# Altium PCB C210.PcbDoc (part 2 of 8)
Units mm, origin at the board's own origin, x right, y up, seen from the top; angles counter-clockwise.
Board outline 68 x 129.25 mm, 6 copper layers (L1, L2, L3, L4, L5, L6), stack 1.547 mm thick; 512 components, 298 nets, 1774 pads, 1892 vias.
Unrouted connection lines stored in the file: 306.
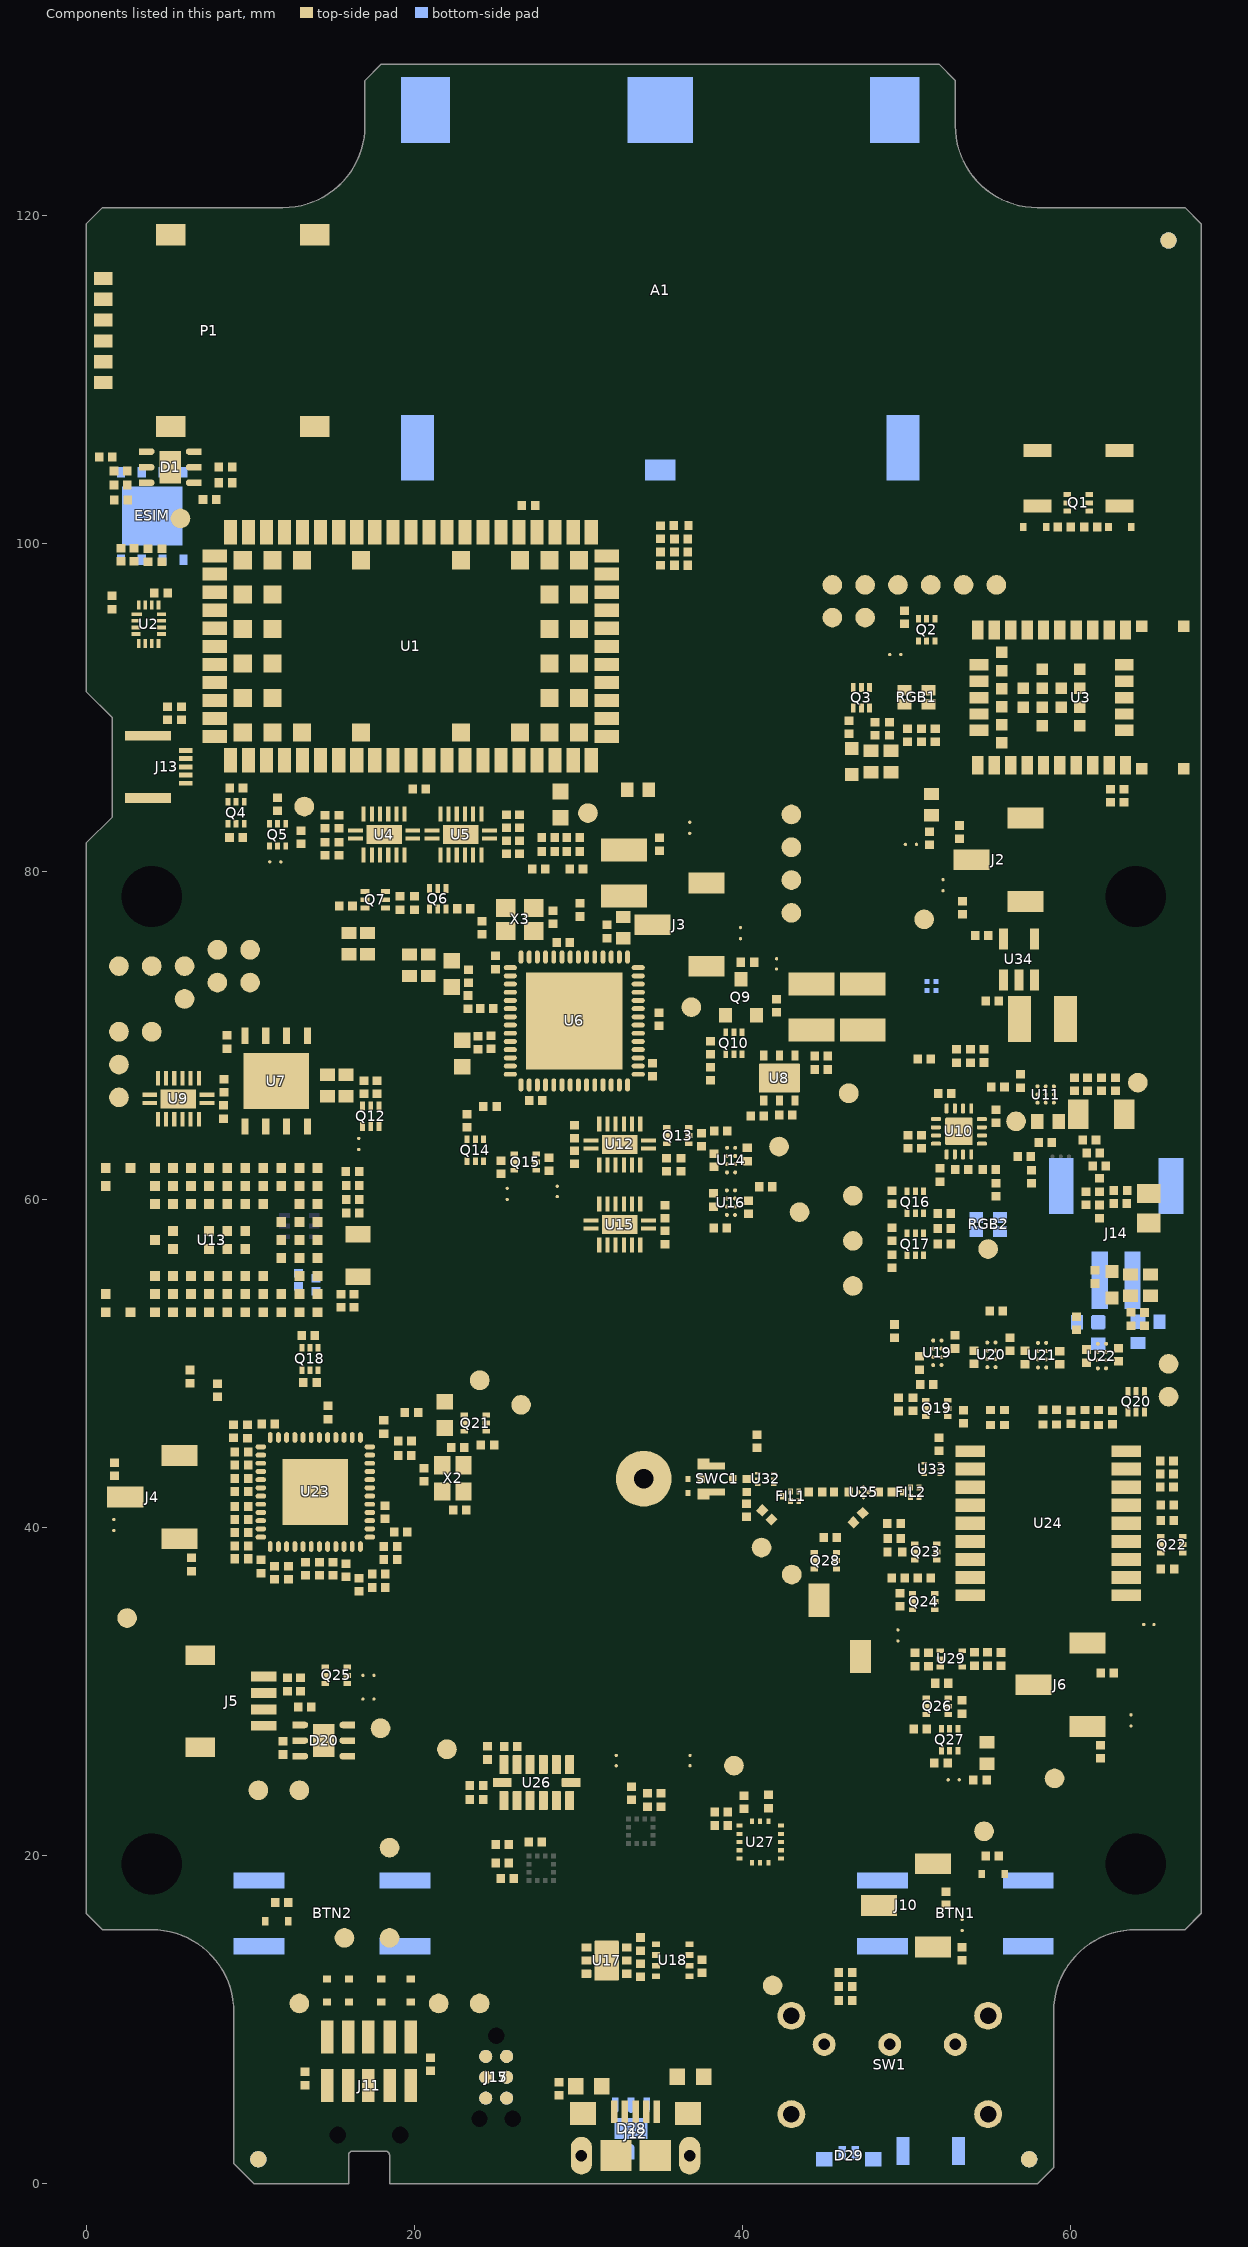
[diagram p6: the components of this part, seen from the top]

## Footprints (in the part's own frame and the unit in brackets; to place one, negate y for a bottom-side part, rotate by r counter-clockwise, add the part's x,y. Pads: shape width x height; smd on the part's side, far side on the other; paste and mask are expansions set on the pad) (continued)
"MFF2 SIM" [mm] "MFF2 - DFN-8 1.27mm Pitch, 8 Pin w/ EPAD, 5.0mm x 6.0mm"
  rect 0.65x0.5 smd mask+0.05: 1(-2.675,1.905) 2(-2.675,0.635) 3(-2.675,-0.635) 4(-2.675,-1.905) 5(2.675,-1.905) 6(2.675,-0.635) 7(2.675,0.635) 8(2.675,1.905)
  rect 3.6x3.7 smd mask+0.05: EPAD(0,0)
  silkscreen extent -3.22,1.85 -3.13,1.95, body extent -3,-2.5 3,2.5, height 0.83
MS-156C3 [mm] "Connector, Coax, Switch, Test, SMT, 2.5mmX2.4mm"
  rect 0.48x0.5 smd paste-10: A(0.96,0) C(-0.96,0)
  rect 0.95x0.42 smd paste-10 mask+0.102: G(0,0.79) G(0,-0.79)
  rect 0.75x0.67 smd paste-10 mask+0.102: G(0.825,0.915) G(0.825,-0.915)
  L1 region: -0.45,-0.575 -0.9,-0.575 -1.2,-0.875 -1.2,-1.25 -0.45,-1.25
  L1 region: -0.45,0.575 -0.9,0.575 -1.2,0.875 -1.2,1.25 -0.45,1.25
  silkscreen extent -1.43,-1.48 1.43,1.48, body extent -1.15,-1.15 1.15,1.15, height 1.36
NINA_LGA48R_1400X1000X223_PCB [mm] "Stand-alone Bluetooth low energy module"
  rect 0.7x1.15 smd paste+0 mask+0.05: 1(-6.275,-4.125) 2(-5.275,-4.125) 3(-4.275,-4.125) 4(-3.275,-4.125) 5(-2.275,-4.125) 6(-1.275,-4.125) 7(-0.275,-4.125) 8(0.725,-4.125) 9(1.725,-4.125) 10(2.725,-4.125) 16(2.725,4.125) 17(1.725,4.125) 18(0.725,4.125) 19(-0.275,4.125) 20(-1.275,4.125) 21(-2.275,4.125) 22(-3.275,4.125) 23(-4.275,4.125) 24(-5.275,4.125) 25(-6.275,4.125)
  rect 1.15x0.7 smd paste+0 mask+0.05: 11(2.65,-2) 12(2.65,-1) 13(2.65,0) 14(2.65,1) 15(2.65,2) 26(-6.2,2) 27(-6.2,1) 28(-6.2,0) 29(-6.2,-1) 30(-6.2,-2)
  rect 0.7x0.7 smd paste+0 mask+0.05: 31(-4.825,-2.75) 32(-4.825,-1.65) 33(-4.825,-0.55) 34(-4.825,0.55) 35(-4.825,1.65) 36(-4.825,2.75) 37(-3.5,-0.575) 38(-3.5,0.575) 39(-2.35,-1.725) 40(-2.35,-0.575) 41(-2.35,0.575) 42(-2.35,1.725) 43(-1.2,-0.575) 44(-1.2,0.575) 45(-0.05,-1.725) 46(-0.05,-0.575) 47(-0.05,0.575) 48(-0.05,1.725) EG(3.725,-4.35) EG(3.725,4.35) EG(6.275,-4.35) EG(6.275,4.35)
  Multi-Layer pour cut-out: 3.825,4 6.925,4 6.925,-4 3.825,-4
  silkscreen extent -7.07,-5.6 6.93,5, body extent -7.08,-5 6.92,5, height 2.25
NORA_LGA82R_1430X1040X180_ANT [mm] "NORA LGA, 82pin ,1.1mm Pitch, 14.3mm x 10.4mm"
  rect 0.6x0.6 smd: A1(-5.5,-4.4) A2(-5.5,-3.3) A3(-5.5,-2.2) A4(-5.5,-1.1) A5(-5.5,0) A6(-5.5,1.1) A7(-5.5,2.2) A8(-5.5,3.3) A9(-5.5,4.4) B1(-4.4,-4.4) B2(-4.4,-3.3) B3(-4.4,-2.2) B4(-4.4,-1.1) B5(-4.4,0) B6(-4.4,1.1) B7(-4.4,2.2) B8(-4.4,3.3) B9(-4.4,4.4) C1(-3.3,-4.4) C2(-3.3,-3.3) C4(-3.3,-1.1) C5(-3.3,0) C6(-3.3,1.1) C8(-3.3,3.3) C9(-3.3,4.4) D1(-2.2,-4.4) D2(-2.2,-3.3) D3(-2.2,-2.2) D7(-2.2,2.2) D8(-2.2,3.3) D9(-2.2,4.4) E1(-1.1,-4.4) E2(-1.1,-3.3) E3(-1.1,-2.2) E4(-1.1,-0.55) E5(-1.1,0.55) E7(-1.1,2.2) E8(-1.1,3.3) E9(-1.1,4.4) F1(0,-4.4) F2(0,-3.3) F3(0,-2.2) F4(0,-0.55) F5(0,0.55) F7(0,2.2) F8(0,3.3) F9(0,4.4) G1(1.1,-4.4) G2(1.1,-3.3) G3(1.1,-2.2) G4(1.1,-0.55) G5(1.1,0.55) G7(1.1,2.2) G8(1.1,3.3) G9(1.1,4.4) H1(2.2,-4.4) H2(2.2,-3.3) H3(2.2,-2.2) H7(2.2,2.2) H8(2.2,3.3) H9(2.2,4.4) J1(3.3,-4.4) J2(3.3,-3.3) J3(3.3,-2.2) J4(3.3,-0.55) J5(3.3,0.55) J7(3.3,2.2) J8(3.3,3.3) J9(3.3,4.4) K1(4.4,-4.4) K2(4.4,-3.3) K3(4.4,-2.2) K5(4.4,0) K7(4.4,2.2) K8(4.4,3.3) K9(4.4,4.4) L1(5.9,-4.4) L9(5.9,4.4) M1(7.4,-4.4) M2(7.4,-3.3) M8(7.4,3.3) M9(7.4,4.4)
  Multi-Layer pour cut-out: 7.1,-4.1 7.1,-3.001 7.9,-2.998 7.9,-5.225 8.25,-5.225 8.25,5.325 7.9,5.325 7.9,3 7.1,3 7.1,4.1 4.7,4.1 4.7,-4.1
  silkscreen extent -6.4,-5.85 8.05,5.35, body extent -6.25,-5.2 8.05,5.2, height 1.78
PCS.66.A [mm] "Taoglas PCS.66.A Cellular Antenna, 33x25x1.6mm"
  rect 1.85x1.3 smd paste-0.1: 1(0,-13.5)
  rect 2x4 smd paste-0.2: 2(-14.8,-12.15) 3(14.8,-12.15)
  rect 3x4 smd paste-0.25: 4(-14.3,8.45) 6(14.3,8.45)
  rect 4x4 smd paste-0.3: 5(0,8.45)
  silkscreen extent -16.25,-14.45 16.25,11.05, body extent -16.03,-14.23 15.98,10.77, height 1.71
QCS5P [mm] "UFLGA, 5 pin SAW Filter, .5mm pitch, 1.4mm x 1.1mm"
  rrect10% 0.3x0.375 smd mask+0.05: 1(-0.5,0) 2(0,-0.288) 3(0.5,-0.288) 4(0.5,0.288) 5(0,0.287)
  silkscreen extent -0.81,-0.41 -0.79,-0.39, body extent -0.7,-0.55 0.7,0.55, height 0.7
QFN0.5P2x6-16Pin_W-Pad [mm] "QFN, 0.5mm pitch, 2x6-16Pin w/ thermal pad 2.6 x 3.6mm, 1mm tall"
  rect 0.9x0.25 smd paste-0.025 mask+0.05: 1(-1.75,-0.25) 8(1.75,-0.25) 9(1.75,0.25) 16(-1.75,0.25)
  rect 0.25x0.9 smd paste-0.025 mask+0.05: 2(-1.25,-1.25) 3(-0.75,-1.25) 4(-0.25,-1.25) 5(0.25,-1.25) 6(0.75,-1.25) 7(1.25,-1.25) 10(1.25,1.25) 11(0.75,1.25) 12(0.25,1.25) 13(-0.25,1.25) 14(-0.75,1.25) 15(-1.25,1.25)
  rect 2.15x1.15 smd paste-3 mask+0.05: 17(0,0)
  silkscreen extent -2.5,-1.45 1.95,1.45, body extent -1.8,-1.3 1.8,1.3, height 1
QFN0.5P3x3-16Pin_W-Pad [mm] "Quad Flat No-Lead, 0.5mm Pitch, 16 Contact, Exposed Pad, 3mmX3mm"
  rrect50% 0.6x0.24 smd: 1(-1.4,0.75) 2(-1.4,0.25) 3(-1.4,-0.25) 4(-1.4,-0.75) 9(1.4,-0.75) 10(1.4,-0.25) 11(1.4,0.25) 12(1.4,0.75)
  rrect50% 0.24x0.6 smd: 5(-0.75,-1.4) 6(-0.25,-1.4) 7(0.25,-1.4) 8(0.75,-1.4) 13(0.75,1.4) 14(0.25,1.4) 15(-0.25,1.4) 16(-0.75,1.4)
  rrect10% 1.68x1.68 smd: EPAD(0,0)
  silkscreen extent -1.6,1.1 -1.1,1.6, body extent -1.52,-1.52 1.52,1.52, height 0.9
QFN0.5P7.0x7.0-48Pin_EPAD [mm] "QFN 48Pin, 0.5mm pitch, 7.0mm x 7.0mm x 0.5mm, High Density"
  oval 0.65x0.3 smd paste-0.05 mask+0.05: 1(-3.325,2.75) 2(-3.325,2.25) 3(-3.325,1.75) 4(-3.325,1.25) 5(-3.325,0.75) 6(-3.325,0.25) 7(-3.325,-0.25) 8(-3.325,-0.75) 9(-3.325,-1.25) 10(-3.325,-1.75) 11(-3.325,-2.25) 12(-3.325,-2.75) 25(3.325,-2.75) 26(3.325,-2.25) 27(3.325,-1.75) 28(3.325,-1.25) 29(3.325,-0.75) 30(3.325,-0.25) 31(3.325,0.25) 32(3.325,0.75) 33(3.325,1.25) 34(3.325,1.75) 35(3.325,2.25) 36(3.325,2.75)
  oval 0.3x0.65 smd paste-0.05 mask+0.05: 13(-2.75,-3.325) 14(-2.25,-3.325) 15(-1.75,-3.325) 16(-1.25,-3.325) 17(-0.75,-3.325) 18(-0.25,-3.325) 19(0.25,-3.325) 20(0.75,-3.325) 21(1.25,-3.325) 22(1.75,-3.325) 23(2.25,-3.325) 24(2.75,-3.325) 37(2.75,3.325) 38(2.25,3.325) 39(1.75,3.325) 40(1.25,3.325) 41(0.75,3.325) 42(0.25,3.325) 43(-0.25,3.325) 44(-0.75,3.325) 45(-1.25,3.325) 46(-1.75,3.325) 47(-2.25,3.325) 48(-2.75,3.325)
  rect 4x4 smd paste-10 mask+0.05: EPAD(0,0)
  silkscreen extent -3.6,3.1 -3.1,3.6, body extent -3.51,-3.51 3.51,3.51, height 0.81
QFN0.5P8.0x8.0-56Pin_EPAD [mm] "QFN 56Pin, 0.5mm pitch, 8.0mm x 8.0mm x 0.5mm, High Density"
  oval 0.8x0.3 smd paste-0.05 mask+0.05: 1(-3.9,3.25) 2(-3.9,2.75) 3(-3.9,2.25) 4(-3.9,1.75) 5(-3.9,1.25) 6(-3.9,0.75) 7(-3.9,0.25) 8(-3.9,-0.25) 9(-3.9,-0.75) 10(-3.9,-1.25) 11(-3.9,-1.75) 12(-3.9,-2.25) 13(-3.9,-2.75) 14(-3.9,-3.25) 29(3.9,-3.25) 30(3.9,-2.75) 31(3.9,-2.25) 32(3.9,-1.75) 33(3.9,-1.25) 34(3.9,-0.75) 35(3.9,-0.25) 36(3.9,0.25) 37(3.9,0.75) 38(3.9,1.25) 39(3.9,1.75) 40(3.9,2.25) 41(3.9,2.75) 42(3.9,3.25)
  oval 0.3x0.8 smd paste-0.05 mask+0.05: 15(-3.25,-3.9) 16(-2.75,-3.9) 17(-2.25,-3.9) 18(-1.75,-3.9) 19(-1.25,-3.9) 20(-0.75,-3.9) 21(-0.25,-3.9) 22(0.25,-3.9) 23(0.75,-3.9) 24(1.25,-3.9) 25(1.75,-3.9) 26(2.25,-3.9) 27(2.75,-3.9) 28(3.25,-3.9) 43(3.25,3.9) 44(2.75,3.9) 45(2.25,3.9) 46(1.75,3.9) 47(1.25,3.9) 48(0.75,3.9) 49(0.25,3.9) 50(-0.25,3.9) 51(-0.75,3.9) 52(-1.25,3.9) 53(-1.75,3.9) 54(-2.25,3.9) 55(-2.75,3.9) 56(-3.25,3.9)
  rect 5.9x5.9 smd paste-10 mask+0.05: EPAD(0,0)
  silkscreen extent -4.1,3.6 -3.6,4.1, body extent -4,-4 4,4, height 1.06
"RES 0201 HD" [mm] "Resistor, 0201 High Density"
  rect 0.3x0.3 smd mask+0.05: 1(-0.275,0) 2(0.275,0)
  body extent -0.32,-0.16 0.32,0.17, height 0.25
"RES 0402 HD" [mm] "Chip Resistor, 2-Leads, Body 1.05x0.54mm, IPC High Density"
  rect 0.52x0.55 smd: 1(-0.4,0) 2(0.4,0)
  silkscreen extent -0.1,-0.38 0.1,0.38, body extent -0.55,-0.3 0.55,0.3, height 0.4
"RES 0603 HD" [mm] "Chip Resistor, 2-Leads, Body 1.60x0.80mm, IPC High Density"
  rect 0.75x0.9 smd: 1(-0.65,0) 2(0.65,0)
  silkscreen extent -0.15,-0.5 0.15,0.5, body extent -0.85,-0.48 0.85,0.48, height 0.55
"RES 0805" [mm] "Resistor, 0805, IPC Medium Density"
  rect 1.15x1.45 smd: 1(-0.9,0) 2(0.9,0)
  silkscreen extent -0.2,-0.8 0.2,0.8, body extent -1.1,-0.72 1.1,0.72, height 0.65
S2B-PH-SM4-TB [mm] "Connector Header Surface Mount, Right Angle 2 position 0.079\" (2.00mm)"
  rect 1x3.5 smd: 1(1,-3.5) 2(-1,-3.5)
  rect 1.5x3.4 smd: MH1(-3.35,2.25) MH1(3.35,2.25)
  silkscreen extent -4.1,-4.1 4.1,3.8, body extent -3.92,-4.9 3.98,3.7, height 5.61
SARA-XX [mm] "GSM/GPRS and GSM/EGPRS/HSPA Cellular Module"
  rect 1.5x0.8 smd paste-1: 1(-6.95,11) 2(-6.95,9.9) 3(-6.95,8.8) 4(-6.95,7.7) 5(-6.95,6.6) 6(-6.95,5.5) 7(-6.95,4.4) 8(-6.95,3.3) 9(-6.95,2.2) 10(-6.95,1.1) 11(-6.95,0) 12(-6.95,-1.1) 13(-6.95,-2.2) 14(-6.95,-3.3) 15(-6.95,-4.4) 16(-6.95,-5.5) 17(-6.95,-6.6) 18(-6.95,-7.7) 19(-6.95,-8.8) 20(-6.95,-9.9) 21(-6.95,-11) 33(6.95,-11) 34(6.95,-9.9) 35(6.95,-8.8) 36(6.95,-7.7) 37(6.95,-6.6) 38(6.95,-5.5) 39(6.95,-4.4) 40(6.95,-3.3) 41(6.95,-2.2) 42(6.95,-1.1) 43(6.95,0) 44(6.95,1.1) 45(6.95,2.2) 46(6.95,3.3) 47(6.95,4.4) 48(6.95,5.5) 49(6.95,6.6) 50(6.95,7.7) 51(6.95,8.8) 52(6.95,9.9) 53(6.95,11)
  rect 0.8x1.5 smd paste-1: 22(-5.5,-11.95) 23(-4.4,-11.95) 24(-3.3,-11.95) 25(-2.2,-11.95) 26(-1.1,-11.95) 27(0,-11.95) 28(1.1,-11.95) 29(2.2,-11.95) 30(3.3,-11.95) 31(4.4,-11.95) 32(5.5,-11.95) 54(5.5,11.95) 55(4.4,11.95) 56(3.3,11.95) 57(2.2,11.95) 58(1.1,11.95) 59(0,11.95) 60(-1.1,11.95) 61(-2.2,11.95) 62(-3.3,11.95) 63(-4.4,11.95) 64(-5.5,11.95)
  rect 1.1x1.1 smd paste-0.025: 65(-5.25,10.25) 66(-3.15,10.25) 67(-1.05,10.25) 68(1.05,10.25) 69(3.15,10.25) 70(5.25,10.25) 71(-5.25,8.45) 72(-3.15,8.45) 73(-1.05,8.45) 74(1.05,8.45) 75(3.15,8.45) 76(5.25,8.45) 77(-5.25,6.65) 78(5.25,6.65) 79(-5.25,3.05) 80(5.25,3.05) 81(-5.25,-3.05) 82(5.25,-3.05) 83(-5.25,-6.65) 84(5.25,-6.65) 85(-5.25,-8.45) 86(-3.15,-8.45) 87(-1.05,-8.45) 88(1.05,-8.45) 89(3.15,-8.45) 90(5.25,-8.45) 91(-5.25,-10.25) 92(-3.15,-10.25) 93(-1.05,-10.25) 94(1.05,-10.25) 95(3.15,-10.25) 96(5.25,-10.25)
  silkscreen extent -8.45,-13 8,13, body extent -8.01,-13.05 8,13.01, height 2.21
SKY13585-679LF [mm] "LGA 0.35mm Pitch, DFN-6 w/pad 2 underpad, 6 Pin, 1.0mm x 1.0mm"
  rect 0.33x0.15 smd mask+0.05: 1(-0.485,0.35) 2(-0.485,0) 3(-0.485,-0.35) 4(0.485,-0.35) 5(0.485,0) 6(0.485,0.35)
  L1 region: -0.075,0.65 0.075,0.65 0.075,-0.65 -0.075,-0.65
  L1 region: -0.21,-0.075 -0.075,-0.198 -0.075,0.198 -0.21,0.075 -0.321,0.075 -0.321,-0.075
  L1 region: 0.075,0.225 0.125,0.175 0.125,-0.175 0.075,-0.225
  silkscreen extent -0.65,0.58 -0.55,0.67, body extent -0.5,-0.5 0.5,0.5, height 0.36
SM04B-SRSS-TB(LF)(SN) [mm] "CONN HEADER SMD R/A 4POS 1MM"
  rect 0.6x1.55 smd: 1(-1.5,3.875) 2(-0.5,3.875) 3(0.5,3.875) 4(1.5,3.875)
  rect 1.2x1.8 smd: M1(-2.8,0) M2(2.8,0)
  silkscreen extent -2.2,3.7 -2,3.9, body extent -3,-0.69 3,4.26, height 2.96
SOD-523_ALT [mm] "SOD-523"
  rect 0.4x0.5 smd: 1(-0.7,0) 2(0.7,0)
  silkscreen extent -0.6,-0.5 0.6,0.5, body extent -0.8,-0.4 0.8,0.4, height 0.7
SOD-923_2 [mm] "SOD-923, 2-Leads, Body 1.25x2.50mm, IPC High Density,"
  rect 0.36x0.3 smd mask+0.05: 1(-0.42,0) 2(0.42,0)
  silkscreen extent -0.75,-0.25 -0.75,0.25, body extent -0.52,-0.32 0.53,0.32, height 0.44
Solderbridge-Open#1 [mm]
  round 0.2 smd paste-10: 1(0,0) 2(0.625,0)
  L1 region: 0.236,-0.432 0.16,-0.505 0.042,-0.467 -0.023,-0.424 -0.097,-0.351 -0.15,-0.292 -0.208,-0.193 -0.236,-0.099 -0.231,0.122 -0.206,0.193 -0.122,0.33 -0.038,0.411 0.054,0.469 0.155,0.5 0.206,0.483 0.236,0.43
  L1 region: 0.389,0.432 0.465,0.505 0.583,0.467 0.648,0.424 0.721,0.351 0.775,0.292 0.833,0.193 0.861,0.099 0.856,-0.122 0.831,-0.193 0.747,-0.33 0.663,-0.411 0.571,-0.469 0.47,-0.5 0.419,-0.483 0.389,-0.43
  L1 lines w0.152: 0.159,0.431 ccw(c0.27,0) 0.025,0.371 ccw(c0.27,0) -0.175,0 ccw(c0.27,0) -0.174,-0.009 ccw(c0.27,0) 0.159,-0.431 ; 0.465,0.431 cw(c0.355,0) 0.625,0.353 cw(c0.355,0) 0.774,0.149 cw(c0.355,0) 0.465,-0.431
Solderbridge-Open#2 [mm]
  round 0.2 smd paste-10: 1(0,0) 2(0.625,0)
  L1 region: 0.389,0.432 0.465,0.505 0.583,0.467 0.648,0.424 0.721,0.351 0.775,0.292 0.833,0.193 0.861,0.099 0.856,-0.122 0.831,-0.193 0.747,-0.33 0.663,-0.411 0.571,-0.469 0.47,-0.5 0.419,-0.483 0.389,-0.43
  L1 region: 0.236,-0.432 0.16,-0.505 0.042,-0.467 -0.023,-0.424 -0.097,-0.351 -0.15,-0.292 -0.208,-0.193 -0.236,-0.099 -0.231,0.122 -0.206,0.193 -0.122,0.33 -0.038,0.411 0.054,0.469 0.155,0.5 0.206,0.483 0.236,0.43
  L1 lines w0.152: 0.159,-0.431 cw(c0.27,0) 0.11,-0.415 cw(c0.27,0) 0.103,-0.412 cw(c0.27,0) 0,-0.353 cw(c0.27,0) -0.137,-0.178 cw(c0.27,0) -0.175,0 cw(c0.27,0) -0.152,0.139 cw(c0.27,0) 0,0.353 cw(c0.27,0) 0.025,0.371 cw(c0.27,0) 0.159,0.431 ; 0.465,-0.431 ccw(c0.355,0) 0.762,-0.178 ccw(c0.355,0) 0.774,-0.149 ccw(c0.355,0) 0.799,0 ccw(c0.355,0) 0.774,0.149 ccw(c0.355,0) 0.625,0.353 ccw(c0.355,0) 0.465,0.431
Solderbridge-Open#3 [mm]
  round 0.2 smd paste-10: 1(0,0) 2(0.625,0)
  L1 region: 0.389,0.432 0.465,0.505 0.583,0.467 0.648,0.424 0.721,0.351 0.775,0.292 0.833,0.193 0.861,0.099 0.856,-0.122 0.831,-0.193 0.747,-0.33 0.663,-0.411 0.571,-0.469 0.47,-0.5 0.419,-0.483 0.389,-0.43
  L1 region: 0.236,-0.432 0.16,-0.505 0.042,-0.467 -0.023,-0.424 -0.097,-0.351 -0.15,-0.292 -0.208,-0.193 -0.236,-0.099 -0.231,0.122 -0.206,0.193 -0.122,0.33 -0.038,0.411 0.054,0.469 0.155,0.5 0.206,0.483 0.236,0.43
  L1 lines w0.152: 0.159,0.431 ccw(c0.27,0) 0.025,0.371 ccw(c0.27,0) -0.175,0 ccw(c0.27,0) 0.159,-0.431 ; 0.465,0.431 cw(c0.355,0) 0.625,0.353 ; 0.465,-0.431 ccw(c0.355,0) 0.625,-0.353 ccw(c0.355,0) 0.774,0.149 ccw(c0.355,0) 0.625,0.353 ; 0.625,0.353 ccw(c0.355,0) 0.625,0.353
Solderbridge-Short [mm]
  round 0.2 smd paste-10: 1(0,0) 2(0.676,0)
  L1 region: 0.236,-0.432 0.16,-0.505 0.042,-0.467 -0.023,-0.424 -0.097,-0.351 -0.15,-0.292 -0.208,-0.193 -0.236,-0.099 -0.231,0.122 -0.206,0.193 -0.122,0.33 -0.038,0.411 0.054,0.469 0.155,0.5 0.206,0.483 0.236,0.43
  L1 region: 0.44,0.432 0.516,0.505 0.634,0.467 0.698,0.424 0.772,0.351 0.825,0.292 0.884,0.193 0.912,0.099 0.907,-0.122 0.881,-0.193 0.798,-0.33 0.714,-0.411 0.622,-0.469 0.521,-0.5 0.47,-0.483 0.44,-0.43
  L1 lines w0.152: 0.516,0.431 cw(c0.406,0) 0.516,-0.431 ; 0.159,0.431 ccw(c0.27,0) 0.159,-0.431
  L1 lines w0.203: 0.676,0 0,0
SOT-23 [mm] "SOT23, 3-Leads, Body 2.92x2.40mm, Pitch 0.95mm, IPC Medium Density"
  rect 0.9x0.8 smd: 1(-1.1,0.95) 2(-1.1,-0.95) 3(1.1,0)
  silkscreen extent -0.7,-1.55 0.7,1.55, body extent -0.7,-1.52 0.7,1.53, height 1.2
SOT-23-5_2 [mm] "SOT-23-5, 1.625mm x 2.9mm"
  rect 1.3x0.55 smd: 1(-1.25,0.95) 2(-1.25,0) 3(-1.25,-0.95) 4(1.25,-0.95) 5(1.25,0.95)
  silkscreen extent -1.71,1.39 -1.69,1.41, body extent -1.4,-1.45 1.4,1.45, height 1.45
SOT-553 [mm] "SOT-553, 5 lead 0.50mm pitch, 1.3mm x 1.7mm"
  rect 0.45x0.3 smd mask+0.05: 1(-0.675,0.5) 2(-0.675,0) 3(-0.675,-0.5) 4(0.675,-0.5) 5(0.675,0.5)
  silkscreen extent -0.92,-0.85 0.3,1.17, body extent -0.68,-0.85 0.67,0.85, height 0.6
SOT-563 [mm] "SOTFL, 6-Leads, Body 1.60x1.60mm, Pitch 0.50mm"
  rect 0.45x0.3 smd: 1(-0.675,0.5) 2(-0.675,0) 3(-0.675,-0.5) 4(0.675,-0.5) 5(0.675,0) 6(0.675,0.5)
  silkscreen extent -0.89,-0.85 0.05,1.14, body extent -0.63,-0.83 0.63,0.82, height 0.6
TC2030-IDC-NL [mm] "CON PADS FOR CBL PLUG-OF-NAILS 6-PIN NO LEGS"
  round 0.8 smd paste-0.9: 1(-1.27,-0.635) 2(-1.27,0.635) 3(0,-0.635) 4(0,0.635) 5(1.27,-0.635) 6(1.27,0.635)
  round 0 hole 1 unplated paste-1.1: MH1(-2.54,0) MH1(2.54,1.016) MH1(2.54,-1.016)
  L1 pour cut-out: -1.27,0.635 1.27,0.635 1.27,-0.635 -1.27,-0.635
"TC2030-IDC-NL No Hole" [mm] "CON PADS FOR CBL PLUG-OF-NAILS 6-PIN NO LEGS"
  round 0.8 smd paste-0.9: 1(-1.27,-0.635) 2(-1.27,0.635) 3(0,-0.635) 4(0,0.635) 5(1.27,-0.635) 6(1.27,0.635)
  L1 pour cut-out: -1.27,0.635 1.27,0.635 1.27,-0.635 -1.27,-0.635
TL6120DF300QG [mm] "Button, Tactile, SPST, NO, Surface Mount"
  rect 3.1x1 smd: 1(-4.45,-2) 2(4.45,-2) 3(-4.45,2) 4(4.45,2)
  silkscreen extent -3.75,-3.5 3.75,3.5, body extent -5,-3.7 5,3.7, height 10.01
TP12R [mm] "Testpoint, Round 1.2mm Dia"
  round 1.2 smd paste-10: 1(0,0)
  silkscreen extent -0.8,-0.8 0.8,0.8, body extent -0.6,-0.6 0.6,0.6, height 0.05
TPD3E001DRSR [mm] "TI DSR Package - WSON-6 0.95mm Pitch, 6 Pin w/ EPAD, 3.0mm x 3.0mm"
  rect 0.75x0.4 smd paste-0.025 mask+0.07: 1(-1.525,0.95) 2(-1.525,0) 3(-1.525,-0.95) 4(1.525,-0.95) 5(1.525,0) 6(1.525,0.95)
  round 0.4 smd paste-0.025 mask+0.07: 1(-1.15,0.95) 2(-1.15,0) 3(-1.15,-0.95) 4(1.15,-0.95) 5(1.15,0) 6(1.15,0.95)
  rect 1.3x2 smd paste-0.15 mask+0.05: EPAD(0,0)
  silkscreen extent -1.8,1.45 -1.7,1.55, body extent -1.51,-1.5 1.51,1.5, height 0.76
TXS0102YZP [mm] "8-DSBGA, 8 pin Texas Instruments TXS0102 dual level translator, .5mm pitch, 1.9mmX0.9mm"
  round 0.245 smd paste-10 mask+0.05: A1(-0.25,0.75) A2(0.25,0.75) B1(-0.25,0.25) B2(0.25,0.25) C1(-0.25,-0.25) C2(0.25,-0.25) D1(-0.25,-0.75) D2(0.25,-0.75)
  silkscreen extent -0.52,0.63 -0.12,1.03, body extent -0.45,-0.95 0.45,0.95, height 0.63
USB_MICRO_RA_W-2TABS [mm] "USB Micro-AB Connector, 5-Leads, Pitch 0.65mm, 8mm x 5mm"
  rect 0.4x1.35 smd: 1(-1.3,2.675) 2(-0.65,2.675) 3(0,2.675) 4(0.65,2.675) 5(1.3,2.675)
  oval 1.3x2.3 hole 0.7 slot 1.7 at 90 deg: 6(-3.3,0) 6(3.3,0.001)
  rect 1.6x1.4 smd: 6(-3.2,2.575) 6(3.2,2.575)
  rect 1.9x1.9 smd: 6(-1.2,0) 6(1.2,0)
  silkscreen extent -3.9,1.2 3.9,3.97, body extent -3.9,-2.71 3.95,2.95, height 2.87
WSON1.27P-8Pin_W-Pad [mm]
  rect 0.44x0.98 smd: 1(-1.905,-2.765) 2(-0.635,-2.765) 3(0.635,-2.765) 4(1.905,-2.765) 5(1.905,2.765) 6(0.635,2.765) 7(-0.635,2.765) 8(-1.905,2.765)
  rect 4x3.4 smd paste-4 mask+0: 9(0,0)
  silkscreen extent -2.94,-3.88 2.5,3, body extent -2.5,-3.05 2.5,3.05, height 0.8
XQFN-16 [mm] "XQFN-16 0.4mm Pitch, 16 Pin, 2.6mm x 1.8mm"
  rect 0.65x0.22 smd mask+0.05: 1(-0.725,0.6)
  rect 0.55x0.22 smd mask+0.05: 2(-0.775,0.2) 3(-0.775,-0.2) 4(-0.775,-0.6) 9(0.775,-0.6) 10(0.775,-0.2) 11(0.775,0.2) 12(0.775,0.6)
  rect 0.22x0.55 smd mask+0.05: 5(-0.6,-1.175) 6(-0.2,-1.175) 7(0.2,-1.175) 8(0.6,-1.175) 13(0.6,1.175) 14(0.2,1.175) 15(-0.2,1.175) 16(-0.6,1.175)
  silkscreen extent -1.05,0.95 -0.95,1.05, body extent -0.91,-1.31 0.91,1.31, height 0.56
XTAL_2520 [mm] "Crystal, 4 lead, 2.5mm x 2.0mm"
  rect 1.2x1.1 smd: 1(-0.85,-0.7) 2(0.85,-0.7) 3(0.85,0.7) 4(-0.85,0.7)
  silkscreen extent -1.85,-1.6 -1.6,-1.35, body extent -1.25,-1 1.25,1, height 0.8
XTAL_2520_HD [mm] "Crystal, 4 lead, 2.5mm x 2.0mm, High Density"
  rect 1.1x1 smd: 1(-0.8,-0.65) 2(0.8,-0.65) 3(0.8,0.65) 4(-0.8,0.65)
  silkscreen extent -1.77,-1.53 -1.53,-1.28, body extent -1.3,-1.05 1.3,1.05, height 0.55
XTAL_3215 [mm] "XTAL, 2-Leads, Body 1.50x3.20mm"
  rect 1x1.55 smd: 1(-1.3,0) 2(1.3,0)
  silkscreen extent -1.7,0.97 -1.6,1.07, body extent -1.65,-0.8 1.65,0.8, height 0.9
